# KiCad board uq_phone.kicad_pcb
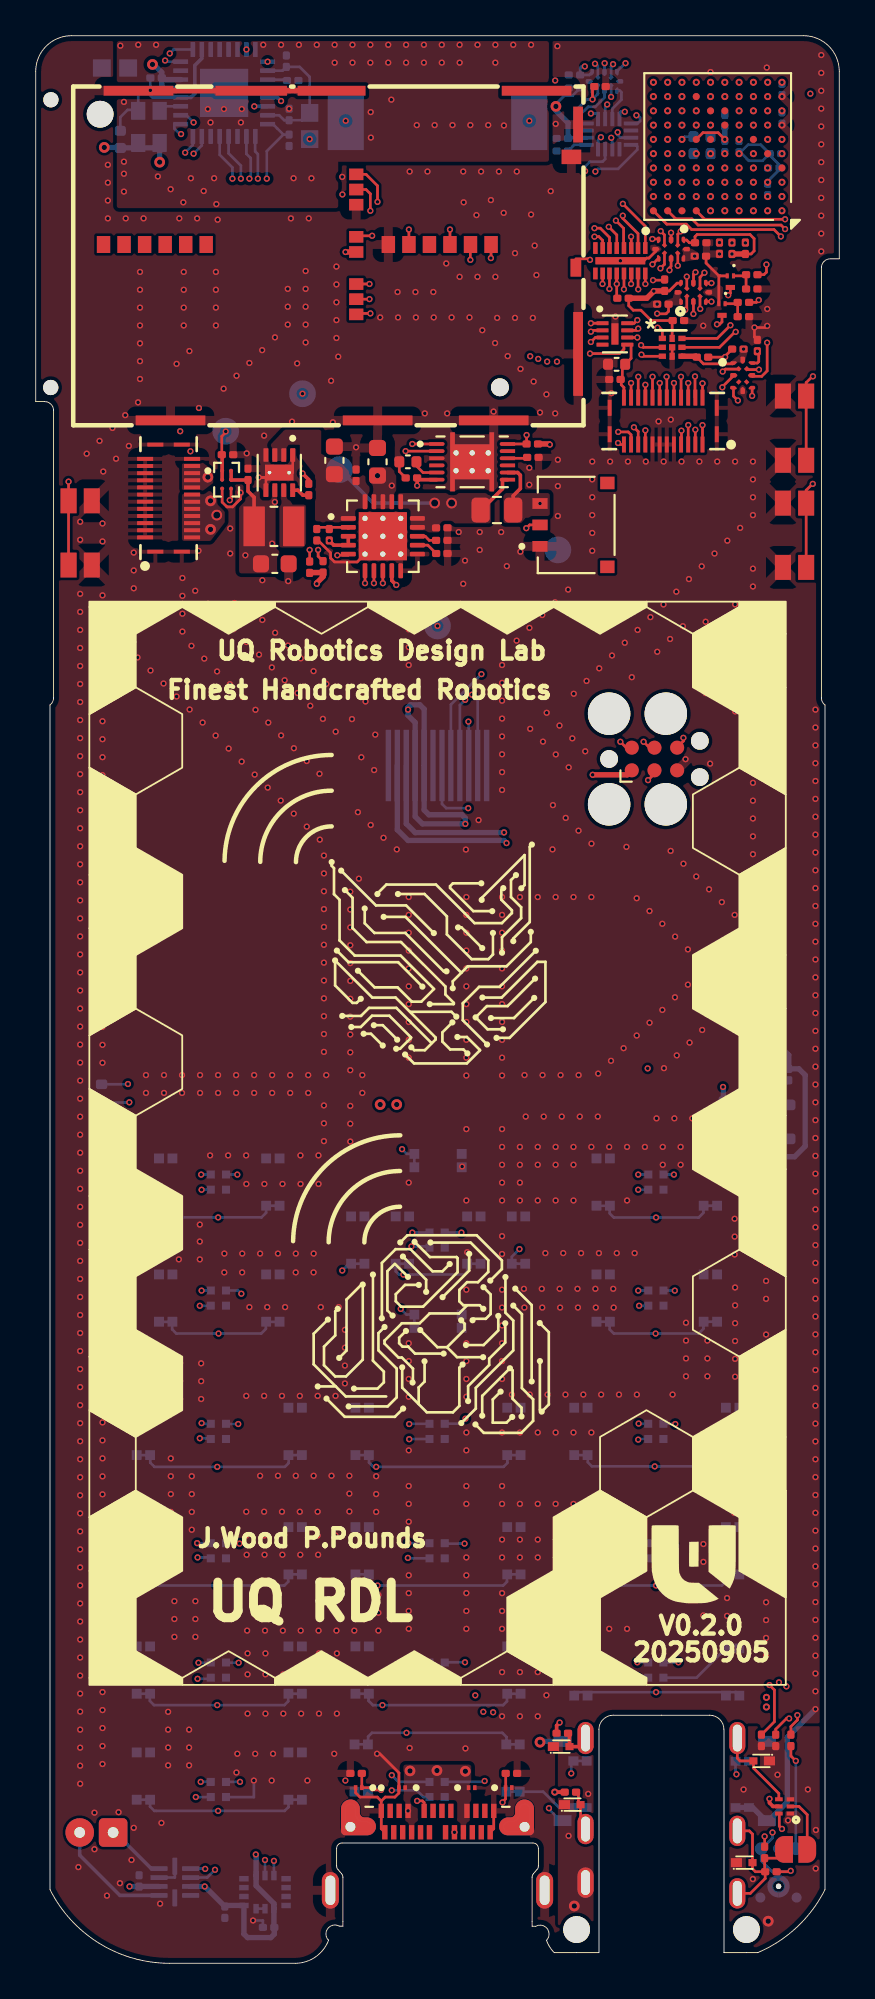
[diagram p0: board, top side]
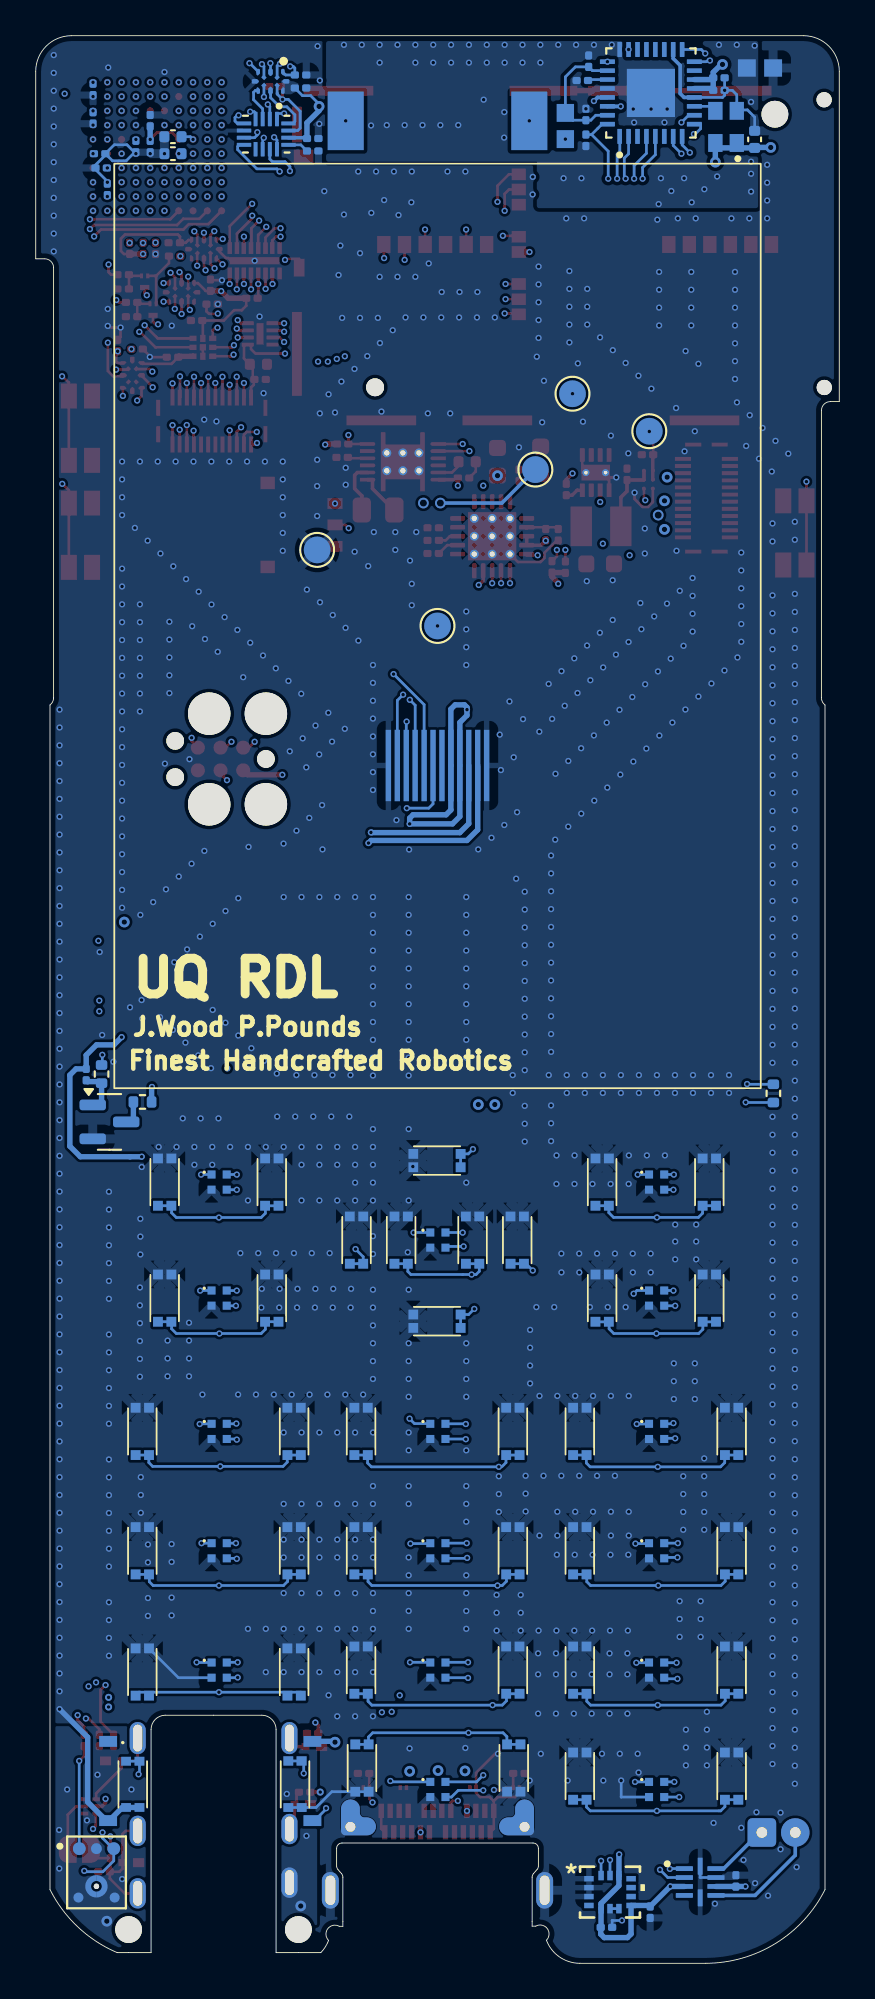
[diagram p1: board, bottom side, seen from below]

Outline 45 x 108 mm; copper layers: Top, In1.Cu, In2.Cu, In3.Cu, In4.Cu, Bottom. Coordinates in mm from the lower left corner of the outline.
Outline path: 17.2,2.34 17.2,2.08 17,2.08 arc(16.36,1.95) 16.4,1.29 arc(15.67,0.35) 14.53,0 7.5,0 arc(3.56,1.12) 0.8,4.13 0.8,70.5 arc(0.95,70.68) 1,70.9 1,87 arc(0.85,87.35) 0.5,87.5 0,87.5 0,106 arc(0.59,107.41) 2,108 43,108 arc(44.41,107.41) 45,106 45,95.5 44.5,95.5 arc(44.15,95.35) 44,95 44,70.9 arc(44.05,70.68) 44.2,70.5 44.2,4.13 arc(42.63,2.03) 40.44,0.6 39.79,0.6 ; 27.8,2.34 27.8,2.07 28,2.07 arc(28.64,1.94) 28.6,1.28 arc(28.78,0.92) 29.03,0.6 30.29,0.6
Stack: Top 0.035mm / dielectric 0.1164mm 2116 er 4.16 / In1.Cu 0.0152mm / dielectric 0.13mm FR4 er 4.6 / In2.Cu 0.0152mm / dielectric 0.2028mm 7628 er 4.4 / In3.Cu 0.0152mm / dielectric 0.13mm FR4 er 4.6 / In4.Cu 0.0152mm / dielectric 0.1164mm 2116 er 4.16 / Bottom 0.035mm

## Placement (name value [footprint] x y rotation side)
ART  -  [Art_large]  22.5 45.49 0 top
C1  10uF  [C_0603_1608Metric]  16.73 84.2 270 top
C2  22uF  [C_0603_1608Metric]  13.39 78.41 0 top
C3  10uF  [C_0603_1608Metric]  19.14 84.12 90 top
C4  4.7uF  [C_0201_0603Metric]  17.94 83.37 90 top
C5  470pF  [C_0402_1005Metric]  20.84 84.12 180 top
C6  1uF  [C_0201_0603Metric]  21.04 83.22 180 top
C7  4.7uF  [C_0201_0603Metric]  22.74 80.42 0 top
C14  4.7uF  [C_0201_0603Metric]  38.59 103.24 90 bottom
C15  100nF  [C_0201_0603Metric]  39.39 101.79 90 bottom
C16  100nF  [C_0201_0603Metric]  41.34 100.59 180 bottom
C17  100nF  [C_0201_0603Metric]  41.79 104.99 90 bottom
C18  100nF  [C_0201_0603Metric]  38.59 101.79 90 bottom
C19  100nF  [C_0201_0603Metric]  41.79 103.39 90 bottom
C20  100nF  [C_0201_0603Metric]  41.42 101.39 0 bottom
C21  100nF  [C_0201_0603Metric]  40.99 99.39 270 bottom
C25  2.2uF  [C_0402_1005Metric]  37.32 101.39 0 bottom
C26  2.2uF  [C_0402_1005Metric]  37.32 102.34 0 bottom
C28  100nF  [C_0201_0603Metric]  37.22 95.65 0 top
C29  100nF  [C_0201_0603Metric]  5.79 4.61 90 bottom
C30  1uF  [C_0201_0603Metric]  11.89 83.42 90 top
C31  100nF  [C_0201_0603Metric]  10.74 84.52 0 top
C32  100nF  [C_0201_0603Metric]  32.44 88.74 180 top
C33  33pF  [C_0402_1005Metric]  32.53 89.59 180 top
C34  100nF  [C_0201_0603Metric]  10.59 2.86 270 bottom
C35  100nF  [C_0201_0603Metric]  13.04 2.01 180 bottom
C36  4.7uF  [C_0201_0603Metric]  42.29 12.49 90 top
C37  1uF  [C_0201_0603Metric]  41.44 12.49 90 top
C38  100nF  [C_0201_0603Metric]  29.49 102.24 180 bottom
C39  4.7uF  [C_0201_0603Metric]  14.19 103.58 90 bottom
C40  4.7uF  [C_0201_0603Metric]  14.04 106.57 90 bottom
C41  4.7uF  [C_0201_0603Metric]  6.74 105.64 180 bottom
C42  4.7uF  [C_0201_0603Metric]  6.74 104.94 180 bottom
C43  4.7uF  [C_0201_0603Metric]  14.39 105.49 0 bottom
C44  4.7uF  [C_0201_0603Metric]  14.19 102.14 270 bottom
C45  1uF  [C_0201_0603Metric]  40.64 12.49 270 top
C46  10nF  [C_0402_1005Metric]  4.74 102.19 90 bottom
C47  1uF  [C_0201_0603Metric]  40.82 6.21 270 top
C48  1uF  [C_0201_0603Metric]  29.49 12.89 0 top
C49  1uF  [C_0201_0603Metric]  29.94 9.59 0 top
C50  100nF  [C_0201_0603Metric]  37.34 89.99 0 top
C51  100nF  [C_0201_0603Metric]  35.99 92.04 0 top
C54  100nF  [C_0201_0603Metric]  37.24 96.4 0 top
C55  100nF  [C_0201_0603Metric]  35.12 92.96 180 top
C56  100nF  [C_0201_0603Metric]  35.22 94.02 90 top
C57  100nF  [C_0201_0603Metric]  30.17 105.07 180 bottom
C58  100nF  [C_0201_0603Metric]  30.17 105.8 180 bottom
C59  100nF  [C_0201_0603Metric]  39.32 90.44 180 top
C60  100nF  [C_0201_0603Metric]  40.41 90.64 90 top
D4  ESD441DPLR  [DIODFN60X30X32-2N]  20.52 9.84 180 top
D5  ESD441DPLR  [DIODFN60X30X32-2N]  24.42 9.84 0 top
D6  ESD441DPLR  [DIODFN60X30X32-2N]  26.49 9.84 0 top
D7  ESD441DPLR  [DIODFN60X30X32-2N]  18.09 9.84 180 top
D8  ESD5451X  [WBFBP-02C_L1.0-W0.6-BI]  40.64 11.34 180 top
D9  ESD5451X  [WBFBP-02C_L1.0-W0.6-BI]  29.44 12.14 0 top
D10  ESD5451X  [WBFBP-02C_L1.0-W0.6-BI]  30.06 8.89 0 top
D11  ESD5451X  [WBFBP-02C_L1.0-W0.6-BI]  39.69 5.64 0 top
DISP1  HS20HS072RX  [Display]  22.5 74.93 180 bottom
FB1  BLM18SG221TN1D  [BEADC1608X65N]  4.44 106.19 0 bottom
FB2  BLM18SG221TN1D  [BEADC1608X65N]  15.34 102.94 90 bottom
J1  PJ-605-6A  [AUDIO-TH_PJ-605-6A]  35.04 8.27 90 top
J2  124018312112A  [AMPHENOL_124018312112A]  22.5 4.09 0 top
J3  BM03B-ACHSS-GAN-TF_LF__SN_  [JST_BM03B-ACHSS-GAN-TF_LF__SN_]  30.12 80.59 90 top
J6  Conn_ARM_SWD_TagConnect_TC2030  [Tag-Connect_TC2030-IDC-FP_2x03_P1.27mm_Vertical]  34.65 67.47 0 top
J7  559092474  [CON_559092474]  7.44 82.09 90 top
J8  MCS-302S-C1  [SIM-SMD_MCS-302S-C1]  17.09 95.68 90 top
J9  559092474  [CON_559092474]  35.14 86.41 180 top
JP1  SolderJumper  [SolderJumper-2_P1.3mm_Open_RoundedPad1.0x1.5mm]  42.56 6.38 0 top
L1  3.3uH  [INDC2520X120N]  13.34 80.51 180 top
LED1  XL-1010RGBC  [XL-1010RGBC-WS2812B]  22.5 9.71 180 bottom
LED2  XL-1010RGBC  [XL-1010RGBC-Alt]  36.37 11.2 180 bottom
LED3  XL-1010RGBC  [XL-1010RGBC-WS2812B]  22.5 16.4 180 bottom
LED4  XL-1010RGBC  [XL-1010RGBC-WS2812B]  34.75 16.4 180 bottom
LED5  XL-1010RGBC  [XL-1010RGBC-WS2812B]  10.25 9.71 180 bottom
LED6  XL-1010RGBC  [XL-1010RGBC-WS2812B]  22.5 23.09 180 bottom
LED7  XL-1010RGBC  [XL-1010RGBC-WS2812B]  34.75 23.09 180 bottom
LED8  XL-1010RGBC  [XL-1010RGBC-WS2812B]  10.25 16.4 180 bottom
LED9  XL-1010RGBC  [XL-1010RGBC-WS2812B]  22.5 29.78 180 bottom
LED10  XL-1010RGBC  [XL-1010RGBC-WS2812B]  34.75 29.78 180 bottom
LED11  XL-1010RGBC  [XL-1010RGBC-WS2812B]  10.25 23.09 180 bottom
LED12  XL-1010RGBC  [XL-1010RGBC-WS2812B]  10.25 37.25 180 bottom
LED13  XL-1010RGBC  [XL-1010RGBC-WS2812B]  34.75 37.25 180 bottom
LED14  XL-1010RGBC  [XL-1010RGBC-WS2812B]  10.25 29.78 180 bottom
LED15  XL-1010RGBC  [XL-1010RGBC-WS2812B]  10.25 43.75 180 bottom
LED16  XL-1010RGBC  [XL-1010RGBC-WS2812B]  22.5 40.5 180 bottom
LED17  XL-1010RGBC  [XL-1010RGBC-WS2812B]  34.75 43.75 180 bottom
M1  C08-00A  [Motor_8mm]  11.27 4.52 0 top
MK1  AMM-3738-B-R  [MIC_AMM-3738-B-R]  41.6 5.06 180 bottom
NOREF  -  [unnamed]  30.29 1.89 0 top
NOREF#2  -  [unnamed]  39.8 1.89 0 top
OSC1  OT7EL89CJI-111YLC-19.2M  [OSC-SMD_4P-L2.0-W1.6-BL]  6.34 102.89 90 bottom
Q1  MMBT3904LP-7  [DFN101X61X53-3N]  38.9 94.22 270 top
Q2  MMBT3904LP-7  [DFN101X61X53-3N]  38.43 92.66 270 top
Q3  S8050  [SOT-23]  40.87 47.14 180 bottom
R1  100k  [R_0201_0603Metric]  15.29 82.57 90 top
R2  5.1k  [R_0201_0603Metric]  17.94 10.64 0 top
R3  5.1k  [R_0201_0603Metric]  26.64 10.64 180 top
R4  4.7k  [R_0201_0603Metric]  39.74 96.09 270 top
R5  270k  [R_0201_0603Metric]  16.44 80.04 270 top
R6  5.1k  [R_0201_0603Metric]  27.81 85.12 0 top
R7  100k  [R_0201_0603Metric]  15.74 80.04 90 top
R8  10k  [R_0201_0603Metric]  27.84 84.37 180 top
R9  10m  [R_0805_2012Metric]  25.83 81.42 180 top
R10  2.2k  [R_0201_0603Metric]  22.74 79.72 0 top
R11  100k  [R_0201_0603Metric]  22.75 78.99 180 top
R16  4.7k  [R_0201_0603Metric]  40.1 94.61 0 top
R17  4.7k  [R_0201_0603Metric]  39.63 93.06 0 top
R18  47k  [R_0201_0603Metric]  40.1 93.81 180 top
R19  47k  [R_0201_0603Metric]  39.63 92.26 180 top
R20  10k  [R_0201_0603Metric]  38.29 96.09 90 top
R21  10k  [R_0201_0603Metric]  42.17 49.79 90 bottom
R22  4.7k  [R_0201_0603Metric]  38.99 96.09 270 top
R23  10k  [R_0201_0603Metric]  16.09 78.24 270 top
R24  10k  [R_0201_0603Metric]  15.34 78.22 270 top
R25  10k  [R_0201_0603Metric]  32.89 93.29 0 top
R26  1k  [R_0402_1005Metric]  41.31 49.82 90 bottom
R27  5R  [R_0402_1005Metric]  39.02 48.26 180 bottom
R28  100k  [R_0201_0603Metric]  31.6 105.15 180 top
R33  10k  [R_0201_0603Metric]  29.49 101.54 0 bottom
R36  2.2k  [R_0201_0603Metric]  41.17 5.13 0 top
R42  330R  [R_0402_1005Metric]  3.69 48.74 90 bottom
REF**  MountingHole  [Mounting]  0.85 104.41 0 top
REF**#2  MountingHole  [Mounting#2]  0.84 88.79 0 top
SP1  -  [MCABS-258-RC]  22.5 104.89 180 bottom
SW1  -  [SKTAAAE010]  30.5 16.3 90 bottom
SW2  -  [SKTAAAE010]  18.25 16.4 90 bottom
SW3  -  [SKTAAAE010]  14.5 16.4 90 bottom
SW4  -  [SKTAAAE010]  7.25 43.75 90 bottom
SW5  -  [SKTAAAE010]  20.51 40.5 90 bottom
SW6  -  [SKSCLCE010]  42.5 86.01 90 top
SW7  -  [SKTAAAE010]  39 16.3 90 bottom
SW8  -  [SKTAAAE010]  26.75 16.4 90 bottom
SW9  -  [SKTAAAE010]  6 16.4 90 bottom
SW10  -  [SKTAAAE010]  13.25 43.75 90 bottom
SW11  -  [SKTAAAE010]  24.51 40.5 90 bottom
SW12  -  [SKTAAAE010]  39 23.09 90 bottom
SW13  -  [SKTAAAE010]  26.75 23.09 90 bottom
SW14  -  [SKTAAAE010]  6 23.09 90 bottom
SW15  -  [SKTAAAE010]  13.25 37.25 90 bottom
SW16  -  [SKSCLCE010]  42.5 80.01 90 top
SW17  -  [SKTAAAE010]  22.5 36 0 bottom
SW18  -  [SKTAAAE010]  30.5 23.09 90 bottom
SW19  -  [SKTAAAE010]  18.25 23.09 90 bottom
SW20  -  [SKTAAAE010]  14.5 23.09 90 bottom
SW21  -  [SKTAAAE010]  7.25 37.25 90 bottom
SW22  -  [SKSCLCE010]  2.49 80.14 270 top
SW23  -  [SKTAAAE010]  22.5 45 0 bottom
SW24  -  [SKTAAAE010]  39 29.78 90 bottom
SW25  -  [SKTAAAE010]  18.25 29.78 90 bottom
SW26  -  [SKTAAAE010]  6 29.78 90 bottom
SW27  -  [SKTAAAE010]  31.75 43.75 90 bottom
SW28  -  [SKTAAAE010]  30.5 29.78 90 bottom
SW29  -  [SKTAAAE010]  26.75 29.78 90 bottom
SW30  -  [SKTAAAE010]  14.5 29.78 90 bottom
SW31  -  [SKTAAAE010]  37.75 43.75 90 bottom
SW32  -  [SKTAAAE010]  18.01 40.5 90 bottom
SW33  SKTAAAE010  [SKTAAAE010#3]  30.5 10.05 270 bottom
SW34  -  [SKTAAAE010]  18.25 10.96 270 bottom
SW35  -  [SKTAAAE010]  6 10.46 90 bottom
SW36  -  [SKTAAAE010]  31.75 37.25 90 bottom
SW37  -  [SKTAAAE010]  27.01 40.5 90 bottom
SW38  SKTAAAE010  [SKTAAAE010#2]  39.59 10.05 270 bottom
SW39  -  [SKTAAAE010]  26.75 10.96 270 bottom
SW40  -  [SKTAAAE010]  14.5 10.46 90 bottom
SW41  -  [SKTAAAE010]  37.75 37.25 90 bottom
TP1  TestPoint  [TestPoint_Pad_D1.5mm]  22.5 74.93 180 bottom
TP2  TestPoint  [TestPoint_Pad_D1.5mm]  14.94 87.94 180 bottom
TP3  TestPoint  [TestPoint_Pad_D1.5mm]  17.02 83.69 180 bottom
TP5  TestPoint  [TestPoint_Pad_D1.5mm]  10.64 85.84 180 bottom
TP6  TestPoint  [TestPoint_Pad_D1.5mm]  29.24 79.19 180 bottom
U1  TPS62162DSGR  [SON50P200X200X80-9N]  13.64 83.52 270 top
U2  MCP73871-2CCI_ML  [QFN50P400X400X100-21N]  19.44 79.95 0 top
U3  BQ27441DRZR-G1A  [IC_BQ27441DRZR-G1A]  24.44 84.12 0 top
U5  TCA9509MRVHR  [RVH8_0P4X0P4]  35.64 90.54 0 top
U6  STM32H723VGHx  [TFBGA-100_8x8mm_Layout10x10_P0.8mm]  38.19 101.79 180 top
U8  TPD3F303DQDR  [SON40P170X135X80-9N]  32.44 91.29 0 top
U9  AZV5001RA4-7  [DFN1210P6X_L1.2-W1.0-P0.40-BL]  41.94 8.79 90 top
U10  TPD8F003DQDR  [SON40P135X330X80-17N]  32.74 95.39 270 top
U11  LSM6DSVTR  [LGA14-L_2P59X3P1X0P5_STM]  12.84 3.99 180 bottom
U12  DRV2603RUNR  [QFN50P200X200X80-10N]  7.79 4.55 180 bottom
U13  TS3A5018RSVR  [QFN40P260X180X55-16N]  32.09 102.48 270 bottom
U14  NAU88C22YG  [QFN50P500X500X80-33N]  10.55 104.79 90 bottom
U15  TPS22964CYZPR  [IC_SN74LVC2G34YZPR]  10.69 83.12 0 top
U17  TXU0204DTRR  [DTR0012A-MFG]  35.58 96.04 270 top
U18  TXU0304DTRR  [DTR0012A-MFG]  36.83 93.62 90 top
U19  TXU0104DTRR  [DTR0012A-MFG]  31.85 105.44 270 bottom
U20  TXU0104DTRR  [DTR0012A-MFG]  39.59 88.97 0 top

## Library data of the parts
C1 C3 = -: Description: CAP CER 10UF 6.3V X5R 0603; LCSC PN: C19702
C2 = -: Description: 6.3V 1uF X5R ±20% 0201 Multilayer Ceramic Capacitors MLCC - SMD/SMT ROHS; LCSC PN: C3020456
C4 C7 C14 C36 C39-C44 = -: Description: 6.3V 4.7uF X5R ±20% 0201 Multilayer Ceramic Capacitors MLCC - SMD/SMT ROHS; LCSC PN: C335103
C5 = -: Description: CAP CER 470PF 10V X7R 0402; LCSC PN: C526993
C6 C30 C37 C45 C47-C49 = -: Description: 6.3V 1uF X5R ±20% 0201 Multilayer Ceramic Capacitors MLCC - SMD/SMT ROHS; LCSC PN: C53067
C15-C21 C28 C29 C31 C32 C34 C35 C38 C50 C51 C54-C60 = -: Description: 6.3V 100nF X5R ±10% 0201 Multilayer Ceramic Capacitors MLCC - SMD/SMT ROHS; LCSC PN: C160831
C25 C26 = -: Description: 2.2 µF ±10% 6.3V Ceramic Capacitor X6S 0402 (1005 Metric); LCSC PN: C107369
C33 = -: Description: CAP CER 33PF 16V X7R 0402; LCSC PN: C70465
C46 = -: Description: 10000 pF ±10% 16V Ceramic Capacitor X7R 0402 (1005 Metric); LCSC PN: C15195
D4-D7 = -: PARTREV: B; MF: Texas Instruments; MP: ESD441DPYR; MANUFACTURER: Texas Instruments; LCSC PN: C22427765
D8-D11 = -: Datasheet: https://atta.szlcsc.com/upload/public/pdf/source/20180731/C239558_C05AB43FE9F81FDB8FB5B52538C9335A.pdf; Manufacturer Part: ESD5451X-2/TR; Manufacturer: WILLSEMI(韦尔); Supplier Part: C239558; Supplier: LCSC; LCSC Part Name: ESD5451X-2/TR
DISP1 = -: Datasheet: https://lcsc.com/datasheet/lcsc_datasheet_2410121700_HS-HS20HS072RX_C5329582.pdf
FB1 FB2 = -: DigiKey_Part_Number: 490-5225-2-ND; SnapEDA_Link: https://www.snapeda.com/parts/BLM18SG221TN1D/Murata/view-part/?ref=snap; Description_1: 220 Ohms @ 100 MHz 1 Power Line Ferrite Bead 0603 (1608 Metric) 2.5A 40mOhm; MF: Murata Electronics; Package: 1608 Murata; Check_prices: https://www.snapeda.com/parts/BLM18SG221TN1D/Murata/view-part/?ref=eda; LCSC PN: C88988
J1 = -: Datasheet: https://atta.szlcsc.com/upload/public/pdf/source/20191118/C145807_B506BAC928359D395FFC1CEA1A4C0BCC.pdf; Description: Connector Type:3.5mm耳机座 Current Rating (Max):500mA Voltage Rating (Max):30V; Manufacturer: 韩国韩荣; Supplier Part: C145807; Supplier: LCSC; LCSC Part Name: 3.5mm耳机座
J2 = -: DigiKey_Part_Number: 124018312112ATR-ND; SnapEDA_Link: https://www.snapeda.com/parts/124018312112A/Amphenol/view-part/?ref=snap; MAXIMUM_PACKAGE_HEIGHT: 4.4mm; Package: None; Check_prices: https://www.snapeda.com/parts/124018312112A/Amphenol/view-part/?ref=eda; STANDARD: Manufacturer Recommendations; PARTREV: 1; MF: Amphenol; Description_1: USB3.2 GEN1, Type C, Mid mount, CH 0.40mm, Dual Row SMT, IPX8; MANUFACTURER: Amphenol ICC (Commercial Products)
J3 = -: SnapEDA_Link: https://www.snapeda.com/parts/BM03B-ACHSS-GAN-TF(LF)(SN)/JST/view-part/?ref=snap; MAXIMUM_PACKAGE_HEIGHT: 1.4 mm; Package: None; Check_prices: https://www.snapeda.com/parts/BM03B-ACHSS-GAN-TF(LF)(SN)/JST/view-part/?ref=eda; STANDARD: Manufacturer recommendations; PARTREV: N/A; MF: JST Sales; MP: BM03B-ACHSS-GAN-TF(LF)(SN); Description_1: Connector Header Surface Mount, Right Angle 3 position 0.047 (1.20mm); MANUFACTURER: JST
J6 = -: Datasheet: https://www.tag-connect.com/wp-content/uploads/bsk-pdf-manager/TC2030-CTX_1.pdf; Description: Tag-Connect ARM Cortex SWD JTAG connector, 6 pin; ki_fp_filters: *TC2030*
J7 J9 = -: DigiKey_Part_Number: WM3787TR-ND; SnapEDA_Link: https://www.snapeda.com/parts/559092474/Molex/view-part/?ref=snap; Description_1: 24 Position Connector Plug, Outer Shroud Contacts Surface Mount Gold; Package: None; Check_prices: https://www.snapeda.com/parts/559092474/Molex/view-part/?ref=eda; MF: Molex; MFR_NAME: Molex Connector Corporation
J8 = -: Datasheet: https://atta.szlcsc.com/upload/public/pdf/source/20230807/FE8BE803A45FEAFD6B0D1F4718AB93A0.pdf; Description: Card Connection Mode:Card Tray Type Card Type:Nano SIM card Connector Type:Card Slot Card Detection:With Card Insertion Detection Supplementary Features:- Body Height (Max):1.32mm Operating Temperature Range:-40°C~+85°C Operating Temperature Range:-40°C~+85°C; Manufacturer: XUNPU(讯普); Supplier Part: C2831360; Supplier: LCSC; LCSC Part Name: 卡托式 NanoSIM卡 卡座; LCSC PN: C2831360
JP1 = -: Description: Solder Jumper, 2-pole, open; ki_fp_filters: SolderJumper*Open*
L1 = -: Description: MAMK2520T3R3M; DigiKey_Part_Number: 587-3227-2-ND; SnapEDA_Link: https://www.snapeda.com/parts/MAMK2520T3R3M/Taiyo+Yuden/view-part/?ref=snap; Description_1: 3.3 µH Shielded Drum Core, Wirewound Inductor 1.7 A 156mOhm Max 1008 (2520 Metric); MF: Taiyo Yuden; Package: 2520 Taiyo Yuden; Check_prices: https://www.snapeda.com/parts/MAMK2520T3R3M/Taiyo+Yuden/view-part/?ref=eda; MP: MAMK2520T3R3M
LED1-LED17 = -: Description: XINGLIGHT XL-1010RGBC-WS2812B; LCSC PN: C5349953
M1 = -: Datasheet: https://www.precisionmicrodrives.com/product/c08-00a-8mm-lra-linear-resonant-actuator-vibration-motor?gQT=2
MK1 = -: DigiKey_Part_Number: 668-AMM-3738-B-RTR-ND; SnapEDA_Link: https://www.snapeda.com/parts/AMM-3738-B-R/PUI+Audio/view-part/?ref=snap; MAXIMUM_PACKAGE_HEIGHT: 1.1mm; Package: None; Check_prices: https://www.snapeda.com/parts/AMM-3738-B-R/PUI+Audio/view-part/?ref=eda; STANDARD: Manufacturer Recommendations; PARTREV: A; MF: PUI Audio; Description_1: 4X3MM MEMS MIC 20~20KHZ 38DB; MANUFACTURER: PUI Audio
OSC1 = -: Datasheet: https://atta.szlcsc.com/upload/public/pdf/source/20240731/596E5F7673E50DA744B7F79F139FB8DF.pdf; Description: Frequency:19.2MHz Normal temperature Frequency Tolerance:±10ppm Normal temperature Frequency Tolerance:±10ppm Output Type:CMOS Voltage - Supply:1.8V~3.3V Voltage - Supply:1.8V~3.3V Frequency Stability:±20ppm Frequency Stability:±20ppm Operating Temperatur; Manufacturer: YXC(扬兴晶振); Supplier Part: C17179442; Supplier: LCSC; LCSC Part Name: YSO110TR 19.2MHZ 4P 2016 1.8V-3.3V ±10PPM -40~85°C (±20PPM) CMOS
Q1 Q2 = -: DigiKey_Part_Number: MMBT3904LP-7DITR-ND; SnapEDA_Link: https://www.snapeda.com/parts/MMBT3904LP-7/Diodes+Inc./view-part/?ref=snap; Description_1: Bipolar (BJT) Transistor NPN 40 V 200 mA 300MHz 250 mW Surface Mount X1-DFN1006-3; Package: DFN-3 Diodes Inc.; Check_prices: https://www.snapeda.com/parts/MMBT3904LP-7/Diodes+Inc./view-part/?ref=eda; MF: Diodes Inc.; MANUFACTURER: Diodes Incorporated; LCSC PN: C460099
Q3 = -: Datasheet: https://www.lcsc.com/datasheet/C916390.pdf; Description: 25V 300mW 500mA SOT-23 Bipolar (BJT) ROHS; LCSC PN: C916390
R1 R7 R11 R28 = -: Description: 50mW Thick Film Resistor 25V ±1% ±200ppm/℃ 100kΩ 0201 Chip Resistor - Surface Mount ROHS; LCSC PN: C106224
R2 R3 R6 = -: Description: 50mW Thick Film Resistor 25V ±1% ±200ppm/℃ 5.1kΩ 0201 Chip Resistor - Surface Mount ROHS; LCSC PN: C274341
R4 R16 R17 R22 = -: Description: 50mW Thick Film Resistor 25V ±1% ±200ppm/℃ 4.7kΩ 0201 Chip Resistor - Surface Mount ROHS; LCSC PN: C138135
R5 = -: Description: 50mW Thick Film Resistor 25V ±200ppm/℃ ±0.5% 270kΩ 0201 Chip Resistor - Surface Mount ROHS; LCSC PN: C851694
R8 R20 R21 R23-R25 R33 = -: Description: 50mW Thick Film Resistor 25V ±1% ±200ppm/℃ 10kΩ 0201 Chip Resistor - Surface Mount ROHS; LCSC PN: C106225
R9 = -: Description: 10mOhm 1%, 1W 0805; LCSC PN: C723359
R10 R36 = -: Description: 50mW Thick Film Resistor 25V ±1% ±200ppm/℃ 2.2kΩ 0201 Chip Resistor - Surface Mount ROHS; LCSC PN: C142018
R18 R19 = -: Description: 50mW Thick Film Resistor 25V ±1% ±200ppm/℃ 47kΩ 0201 Chip Resistor - Surface Mount ROHS; LCSC PN: C138139
R26 = -: Description: RES SMD 1K OHM 1% 1/10W 0402; LCSC PN: C5455561
R27 = -: Description: 62.5mW Thick Film Resistor 50V ±1% ±400ppm/℃ 5.1Ω 0402 Chip Resistor - Surface Mount ROHS; LCSC PN: C25128
R42 = -: Description: RES SMD 330 OHM 1% 1/10W 0402; LCSC PN: C6117577
REF** REF**#2 = -: Description: 0.85mm mounting hole
SP1 = -: Description: https://au.element14.com/multicomp-pro/mcabs-258-rc/speaker-miniature-0hz-10khz-0/dp/4136955
SW1-SW5 SW7-SW15 SW17-SW21 SW23-SW41 = -: LCSC PN: C358616
SW6 SW16 SW22 = -: LCSC PN: C139799
TP1-TP3 TP5 TP6 = -: Description: test point; ki_fp_filters: Pin* Test*
U1 = -: DigiKey_Part_Number: 296-43671-2-ND; SnapEDA_Link: https://www.snapeda.com/parts/TPS62162DSGR/Texas+Instruments/view-part/?ref=snap; MAXIMUM_PACKAGE_HEIGHT: 0.8mm; Package: WSON-8 Texas Instruments; Check_prices: https://www.snapeda.com/parts/TPS62162DSGR/Texas+Instruments/view-part/?ref=eda; STANDARD: IPC-7351B; PARTREV: E; MF: Texas Instruments; Description_1: 3V-17V 1A Step-Down Converters with DCS-Control™; MANUFACTURER: Texas Instruments; LCSC PN: C40256
U2 = -: MF: Microchip; Description_1: Microchip MCP73871-2CCI/ML, Battery Charge Controller, 1000mA, 20-Pin QFN | Microchip Technology Inc. MCP73871-2CCI/ML; Package: QFN-20 Microchip; Price: None; SnapEDA_Link: https://www.snapeda.com/parts/MCP73871-2CCI/ML/Microchip/view-part/?ref=snap; MP: MCP73871-2CCI/ML; Availability: In Stock; Check_prices: https://www.snapeda.com/parts/MCP73871-2CCI/ML/Microchip/view-part/?ref=eda; LCSC PN: C5121473
U3 = -: MF: Texas Instruments; Description_1: System-side Impedance Track™ battery fuel (gas) gauge; Package: VSON-12 Texas Instruments; Price: None; SnapEDA_Link: https://www.snapeda.com/parts/BQ27441DRZR-G1A/Texas+Instruments/view-part/?ref=snap; Availability: In Stock; Check_prices: https://www.snapeda.com/parts/BQ27441DRZR-G1A/Texas+Instruments/view-part/?ref=eda; LCSC PN: C473397
U5 = -: Datasheet: https://www.ti.com/lit/gpn/tca9509; LCSC PN: C2652478; ki_fp_filters: RVH8_0P4X0P4
U6 = -: Datasheet: https://www.st.com/resource/en/datasheet/stm32h723vg.pdf; Description: STMicroelectronics Arm Cortex-M7 MCU, 1024KB flash, 564KB RAM, 550 MHz, 1.62-3.6V, 82 GPIO, TFBGA100; ki_fp_filters: TFBGA*8x8mm*Layout10x10*P0.8mm*
U8 = -: B_NOM: 0.2; D_MAX: 1.8; A_MAX: 0.8; B_MIN: 0.15; Check_prices: https://www.snapeda.com/parts/TPD3F303DQDR/Texas+Instruments/view-part/?ref=eda; DigiKey_Part_Number: 296-28300-2-ND; B_MAX: 0.25; Description_1: 3 channel 5.5-V, ±15kV ESD protection & EMI filter with 300-MHz -3-dB for sim card; ENOM: 0.4; D_NOM: 1.7; L_MAX: 0.325; Package: WSON-8 Texas Instruments; E2_NOM: 0.4; D2_NOM: 1.2; PARTREV: A; MF: Texas Instruments; E_NOM: 1.35; STANDARD: IPC 7351B; PIN_COUNT: 8.0; L_NOM: 0.25; MANUFACTURER: Texas Instruments; SnapEDA_Link: https://www.snapeda.com/parts/TPD3F303DQDR/Texas+Instruments/view-part/?ref=snap; MAXIMUM_PACKAGE_HEIGHT: 0.8mm; E_MIN: 1.25; D_MIN: 1.6; L_MIN: 0.125; E_MAX: 1.45; LCSC PN: C2869050
U9 = -: Datasheet: https://www.lcsc.com/product-detail/C5246088.html?s_z=n_AZV5001; Description: Low-Power Headset Detection IC in Miniaturized Package; LCSC PN: C5246088
U10 = -: DigiKey_Part_Number: 296-25803-2-ND; SnapEDA_Link: https://www.snapeda.com/parts/TPD8F003DQDR/Texas+Instruments/view-part/?ref=snap; Description_1: 8-channel EMI filter for display interface; PACKAGE: SON-16; Package: WSON-16 Texas Instruments; OC_FARNELL: 1863884; MF: Texas Instruments; SUPPLIER: Texas Instruments; OC_NEWARK: 69R4548; Check_prices: https://www.snapeda.com/parts/TPD8F003DQDR/Texas+Instruments/view-part/?ref=eda; LCSC PN: C473368
U11 = -: ki_fp_filters: LGA14-L_2P59X3P1X0P5_STM LGA14-L_2P59X3P1X0P5_STM-M LGA14-L_2P59X3P1X0P5_STM-L
U12 = -: Description: IC LRA/ERM HAPTIC DRIVER 10QFN; DigiKey_Part_Number: 296-30613-2-ND; MF: Texas Instruments; PACKAGE: QFN-10 Texas Instruments; PRICE: 1.02 USD; Package: WQFN-10 Texas Instruments; Check_prices: https://www.snapeda.com/parts/DRV2603RUNR/Texas+Instruments/view-part/?ref=eda; STANDARD: IPC-7351B; PARTREV: C; SnapEDA_Link: https://www.snapeda.com/parts/DRV2603RUNR/Texas+Instruments/view-part/?ref=snap; AVAILABILITY: Good; Description_1: Haptic driver for ERM/LRA with auto-resonance tracking in QFN package; LCSC PN: C75424
U13 = -: DigiKey_Part_Number: 296-27552-2-ND; SnapEDA_Link: https://www.snapeda.com/parts/TS3A5018RSVR/Texas+Instruments/view-part/?ref=snap; MAXIMUM_PACKAGE_HEIGHT: 0.55mm; Package: UQFN-16 Texas Instruments; Check_prices: https://www.snapeda.com/parts/TS3A5018RSVR/Texas+Instruments/view-part/?ref=eda; STANDARD: IPC-7351B; PARTREV: 4220314/C 02/2020; MF: Texas Instruments; Description_1: 3.3-V, 2:1 (SPDT), 4-channel general-purpose analog switch; MANUFACTURER: Texas Instruments; LCSC PN: C201641
U14 = -: DigiKey_Part_Number: NAU88C22YG-ND; SnapEDA_Link: https://www.snapeda.com/parts/NAU88C22YG/Nuvoton/view-part/?ref=snap; MAXIMUM_PACKAGE_HEIGHT: 0.80mm; Package: QFN-32 Nuvoton; Check_prices: https://www.snapeda.com/parts/NAU88C22YG/Nuvoton/view-part/?ref=eda; STANDARD: Manufacturer Recommendations; PARTREV: 3.3; MF: Nuvoton; Description_1: Audio Interface 24 b I2S, PCM 32-QFN (5x5); MANUFACTURER: Nuvoton
U15 = -: LCSC PN: C431579
U17 = -: Datasheet: https://www.ti.com/lit/gpn/txu0204; ki_fp_filters: DTR0012A-MFG
U18 = -: Datasheet: https://www.ti.com/lit/gpn/txu0304; ki_fp_filters: DTR0012A-MFG
U19 U20 = -: Datasheet: https://www.ti.com/lit/gpn/txu0104; ki_fp_filters: DTR0012A-MFG

## Footprints (pads in the part's own frame, mm; a bottom-side part is the same pattern mirrored in y, then rotated)
AMPHENOL_124018312112A
  rect 0.3x0.8 smd: A1(-3.15,4.45) A2(-2.65,4.45) A3(-2.15,4.45) A4(-1.65,4.45) A5(-0.75,4.45) A6(-0.25,4.45) A7(0.25,4.45) A8(0.75,4.45) A9(1.65,4.45) A10(2.15,4.45) A11(2.65,4.45) A12(3.15,4.45) B1(2.95,3.25) B2(2.45,3.25) B3(1.95,3.25) B4(1.45,3.25) B5(0.95,3.25) B6(0.45,3.25) B7(-0.45,3.25) B8(-0.95,3.25) B9(-1.45,3.25) B10(-1.95,3.25) B11(-2.45,3.25) B12(-2.95,3.25)
  oval 0.95x2.05 hole 0.55x1.65: SH1(-6,0) SH2(6,0)
  custom 1.96x2.011 hole 0.55: SH3(-4.875,3.56) SH4(4.875,3.56)
AUDIO-TH_PJ-605-6A
  oval 1.7x0.9 hole 1.4x0.5: 1(-3.751,4.25) 2(-0.748,4.25) 5(-0.85,-4.25) 6(-4.35,-4.25)
  oval 1.8x0.9 hole 1.5x0.5: 3(4.35,4.25) 4(4.35,-4.25)
BEADC1608X65N
  rect 1x0.97 smd: 1(-0.735,0) 2(0.735,0)
C_0201_0603Metric
  rrect 0.318x0.36 smd: (-0.345,0) (0.345,0)
  rrect 0.46x0.4 smd: 1(-0.32,0) 2(0.32,0)
C_0402_1005Metric
  rrect 0.56x0.62 smd: 1(-0.48,0) 2(0.48,0)
C_0603_1608Metric
  rrect 0.9x0.95 smd: 1(-0.775,0) 2(0.775,0)
CON_559092474
  rect 0.22x0.9 smd: 1(-2.2,1.315) 2(-1.8,1.315) 3(-1.4,1.315) 4(-1,1.315) 5(-0.6,1.315) 6(-0.2,1.315) 7(0.2,1.315) 8(0.6,1.315) 9(1,1.315) 10(1.4,1.315) 11(1.8,1.315) 12(2.2,1.315) 13(-2.2,-1.315) 14(-1.8,-1.315) 15(-1.4,-1.315) 16(-1,-1.315) 17(-0.6,-1.315) 18(-0.2,-1.315) 19(0.2,-1.315) 20(0.6,-1.315) 21(1,-1.315) 22(1.4,-1.315) 23(1.8,-1.315) 24(2.2,-1.315) P1(-3,-0.74) P2(3,-0.74) P3(-3,0.74) P4(3,0.74)
DFN101X61X53-3N
  rect 0.28x0.17 smd: 1(-0.325,0.175) 2(-0.325,-0.175)
  rect 0.28x0.52 smd: 3(0.325,0)
DFN1210P6X_L1.2-W1.0-P0.40-BL
  rect 0.22x0.42 smd: 1(-0.4,-0.325) 2(0,-0.325) 3(0.4,-0.325) 4(0.4,0.325) 5(0,0.325) 6(-0.4,0.325)
DIODFN60X30X32-2N
  rect 0.2x0.27 smd: 1(-0.175,0) 2(0.175,0)
Display
  rect 0.3x4 smd: 1(-2.75,-7.82) 2(-2.25,-7.82) 3(-1.75,-7.82) 4(-1.25,-7.82) 5(-0.75,-7.82) 6(-0.25,-7.82) 7(0.25,-7.82) 8(0.75,-7.82) 9(1.25,-7.82) 10(1.75,-7.82) 11(2.25,-7.82) 12(2.75,-7.82)
DTR0012A-MFG
  custom 0.37x0.2 smd: 1(-0.515,0.69) 5(-0.515,-0.69) 7(0.515,-0.69) 11(0.515,0.69)
  rect 0.23x0.2 smd rot 135: 2(-0.22,0.37) 8(0.22,-0.37)
  custom 0.4x0.26 smd: 3(-0.5,0) 9(0.5,0)
  rect 0.23x0.2 smd rot 45: 4(-0.22,-0.37) 10(0.22,0.37)
  custom 0.26x0.4 smd: 6(0,-0.868) 12(0,0.85)
IC_BQ27441DRZR-G1A
  custom 0.86x0.21 smd: 1(-1.975,1) 2(-1.975,0.6) 3(-1.975,0.2) 4(-1.975,-0.2) 5(-1.975,-0.6) 6(-1.975,-1) 7(1.975,-1) 8(1.975,-0.6) 9(1.975,-0.2) 10(1.975,0.2) 11(1.975,0.6) 12(1.975,1)
  round 0.5 hole 0.3: 13(-0.9,0.5) 13(-0.9,-0.5) 13(0,0.5) 13(0,-0.5) 13(0.9,0.5) 13(0.9,-0.5)
  custom 2.46x3.31 smd: 13(0,0)
IC_SN74LVC2G34YZPR
  round 0.225 smd: A1(-0.25,0.5) A2(0.25,0.5) B1(-0.25,0) B2(0.25,0) C1(-0.25,-0.5) C2(0.25,-0.5)
INDC2520X120N
  rect 1.2x2.22 smd: 1(-1.11,0) 2(1.11,0)
JST_BM03B-ACHSS-GAN-TF_LF__SN_
  rect 0.6x0.85 smd: 1(-1.2,1.875) 2(0,1.875) 3(1.2,1.875)
  rect 0.7x0.8 smd: S1(-2.35,-1.9) S2(2.35,-1.9)
LGA14-L_2P59X3P1X0P5_STM
  rect 0.533x0.305 smd: 1(-1.181,0.75) 2(-1.181,0.25) 3(-1.181,-0.25) 4(-1.181,-0.75) 8(1.181,-0.75) 9(1.181,-0.25) 10(1.181,0.25) 11(1.181,0.75)
  rect 0.305x0.533 smd: 5(-0.5,-0.927) 6(0,-0.927) 7(0.5,-0.927) 12(0.5,0.927) 13(0,0.927) 14(-0.5,0.927)
MCABS-258-RC
  rect 2.02x3.28 smd: +(-5.14,-1.66) -(5.14,-1.66)
MIC_AMM-3738-B-R
  round 0.3 hole 0.3 unplated: (0,-0.75)
  round 0.72 smd: 1(-0.96,1.36) 4(0.97,1.36)
  round 0.56 smd: 2(-1.01,-1.38) 3(1.02,-1.38)
  round 0.61 smd: 5(0,1.36)
  custom 0.63x1.25 smd: 6_1(-0.2,-1.15) 6_2(0.19,-1.15)
Motor_8mm
  rrect 1.6x1.6 hole 0.6: 1(-6.935,2.81)
  round 1.6 hole 0.6: 2(-8.805,2.81)
Mounting
  round 0.85 hole 0.85 unplated: (0,0)
Mounting#2
  round 0.85 hole 0.85 unplated: (0,-0.5)
OSC-SMD_4P-L2.0-W1.6-BL
  rect 1x0.8 smd: 1(-0.9,-0.6) 2(0.9,-0.6) 3(0.9,0.6) 4(-0.9,0.6)
QFN40P260X180X55-16N
  rrect 0.81x0.22 smd: 1(-0.845,0.6) 2(-0.845,0.2) 3(-0.845,-0.2) 4(-0.845,-0.6) 9(0.845,-0.6) 10(0.845,-0.2) 11(0.845,0.2) 12(0.845,0.6)
  rrect 0.22x0.81 smd: 5(-0.6,-1.245) 6(-0.2,-1.245) 7(0.2,-1.245) 8(0.6,-1.245) 13(0.6,1.245) 14(0.2,1.245) 15(-0.2,1.245) 16(-0.6,1.245)
QFN50P200X200X80-10N
  rrect 0.96x0.27 smd: 1(-0.885,0.75) 2(-0.885,0.25) 3(-0.885,-0.25) 4(-0.885,-0.75) 6(0.885,-0.75) 7(0.885,-0.25) 8(0.885,0.25) 9(0.885,0.75)
  rrect 0.27x0.96 smd: 5(0,-0.885) 10(0,0.885)
QFN50P400X400X100-21N
  rrect 0.84x0.26 smd: 1(-1.935,1) 2(-1.935,0.5) 3(-1.935,0) 4(-1.935,-0.5) 5(-1.935,-1) 11(1.935,-1) 12(1.935,-0.5) 13(1.935,0) 14(1.935,0.5) 15(1.935,1)
  rrect 0.26x0.84 smd: 6(-1,-1.935) 7(-0.5,-1.935) 8(0,-1.935) 9(0.5,-1.935) 10(1,-1.935) 16(1,1.935) 17(0.5,1.935) 18(0,1.935) 19(-0.5,1.935) 20(-1,1.935)
  round 0.5 hole 0.3: 21(-1,1) 21(-1,0) 21(-1,-1) 21(0,1) 21(0,0) 21(0,-1) 21(1,1) 21(1,0) 21(1,-1)
  rect 2.7x2.7 smd: 21(0,0)
QFN50P500X500X80-33N
  rrect 0.84x0.26 smd: 1(-2.435,1.75) 2(-2.435,1.25) 3(-2.435,0.75) 4(-2.435,0.25) 5(-2.435,-0.25) 6(-2.435,-0.75) 7(-2.435,-1.25) 8(-2.435,-1.75) 17(2.435,-1.75) 18(2.435,-1.25) 19(2.435,-0.75) 20(2.435,-0.25) 21(2.435,0.25) 22(2.435,0.75) 23(2.435,1.25) 24(2.435,1.75)
  rrect 0.26x0.84 smd: 9(-1.75,-2.435) 10(-1.25,-2.435) 11(-0.75,-2.435) 12(-0.25,-2.435) 13(0.25,-2.435) 14(0.75,-2.435) 15(1.25,-2.435) 16(1.75,-2.435) 25(1.75,2.435) 26(1.25,2.435) 27(0.75,2.435) 28(0.25,2.435) 29(-0.25,2.435) 30(-0.75,2.435) 31(-1.25,2.435) 32(-1.75,2.435)
  rect 2.7x2.7 smd: 33(0,0)
R_0201_0603Metric
  rrect 0.318x0.36 smd: (-0.345,0) (0.345,0)
  rrect 0.46x0.4 smd: 1(-0.32,0) 2(0.32,0)
R_0402_1005Metric
  rrect 0.54x0.64 smd: 1(-0.51,0) 2(0.51,0)
R_0805_2012Metric
  rrect 1.025x1.4 smd: 1(-0.912,0) 2(0.912,0)
RVH8_0P4X0P4
  rect 0.4x0.3 smd: 1(-0.55,0.5) 2(-0.55,0) 3(-0.55,-0.5) 5(0.55,-0.5) 6(0.55,0) 7(0.55,0.5)
  rect 0.3x0.4 smd: 4(0,-0.5) 8(0,0.5)
  rect 0.35x0.35 smd: 9(0,0)
SIM-SMD_MCS-302S-C1
  round 1 hole 1 unplated: (-7.38,-8.91)
  round 1.5 hole 1.5 unplated: (7.92,13.48)
  rect 0.65x0.8 smd: 1(-3.295,-0.863) 2(-2.445,-0.863) 3(-1.595,-0.863) 4(0.2,-0.863) 5(1.05,-0.863) 6(2.85,-0.863) 7(3.7,-0.863) 8(4.55,-0.863)